# KiCad board karabas-pro-revF.kicad_pcb (continued)
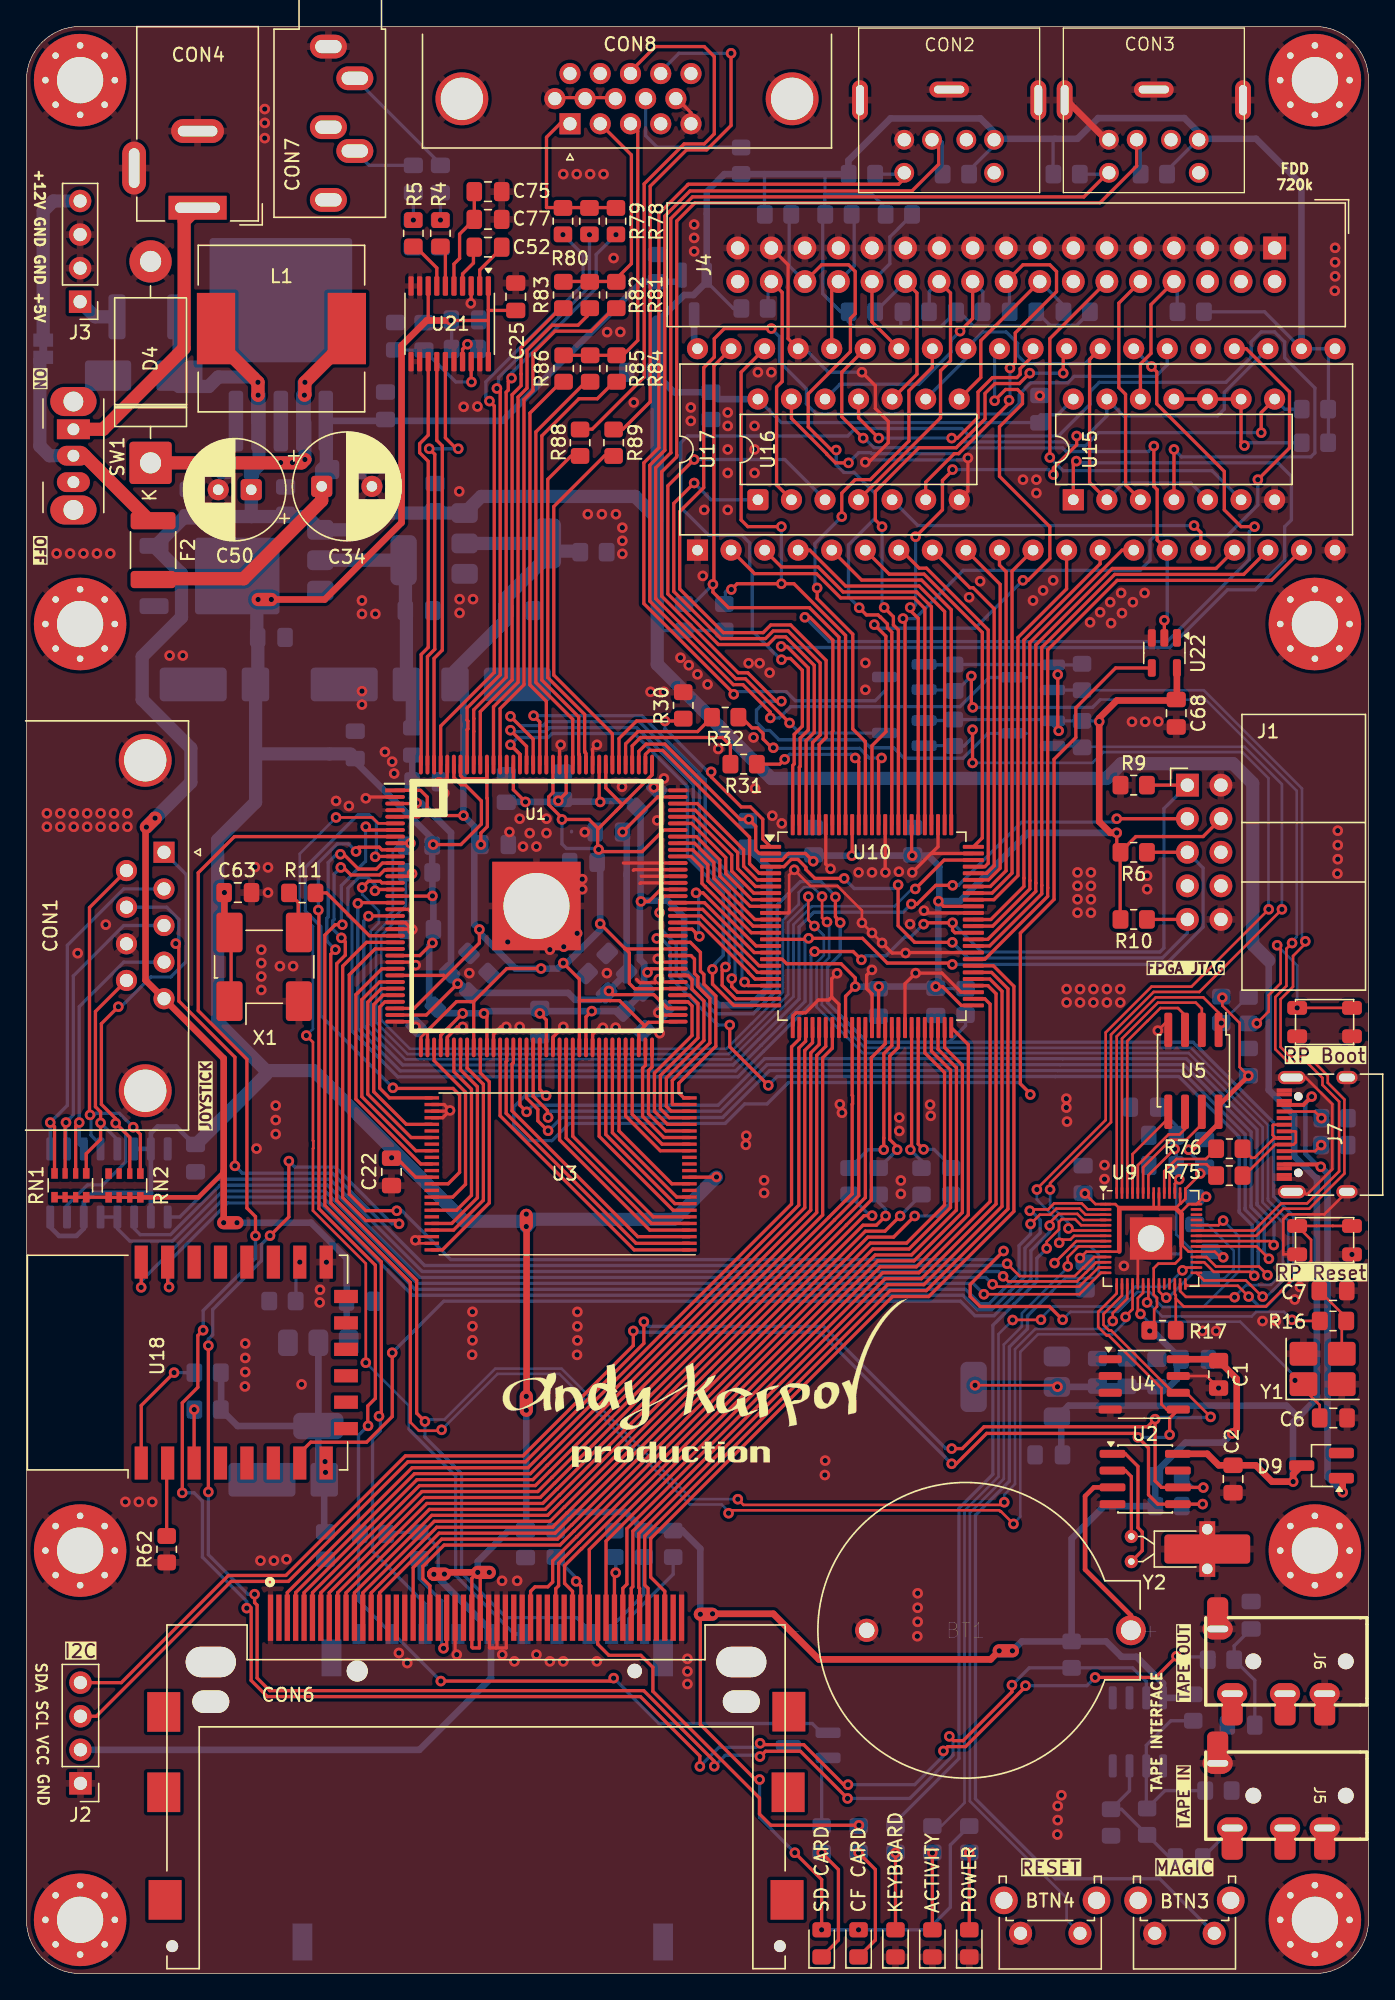
[diagram p0: board, top side]
## Routing (per net, layer and track width the routed paths; a pad name or vN(x,y) marks a point on that pad's centre or on a via; arc(x,y) is an arc through that point) (continued)
JOY_P7: length 95
  Top w0.2: v1(74.24,53.71) 75.18,52.77 79.36,52.77 80.03,53.44 80.04,53.44 80.82,54.22 U9.11
  Top w0.25: v1(11.3,77.93) 11.54,77.69 11.54,73.58 15.78,69.33 v1(15.78,61.11)
  Bottom w0.25: v1(74.24,53.71) 74.1,53.57 30.15,53.57 23.16,60.55 16.34,60.55 v1(15.78,61.11) ; v1(11.3,77.93) 11.54,78.16 11.54,79.76 10.62,80.68 CON1.7
JOY_SCK: length 79.9
  Top w0.2: v1(73.14,52.15) 73.32,51.97 79.69,51.97 80.36,52.64 80.37,52.64 81.15,53.42 U9.13
  Bottom w0.25: U8.11 8.15,56.37 8.62,55.91 10.91,55.91 14.66,59.65 22.79,59.65 29.78,52.67 72.62,52.67 v1(73.14,52.15)
LED1: length 54.6
  Top w0.2: U9.5 79.84,56.62 79.38,57.08 78.37,57.08 78.16,56.86 78.16,56.3 77.23,55.37 v1(77.23,54.86)
  Bottom w0.25: 65.79,11.19 65.79,11.47 70.59,16.27 70.59,35.2 73.16,37.77 73.16,49.05 74.79,50.68 74.79,50.68 76.49,52.38 76.49,54.12 v1(77.23,54.86)
LED2: length 57.1
  Top w0.2: v1(87.51,53.2) 87.72,53.42 U9.30 ; v1(74.65,49.45) 74.66,49.46 76.79,49.46 v1(76.8,49.47)
  Bottom w0.2: 68.58,11.19 69.28,11.19 71.01,12.92 71.01,35.02 73.59,37.59 73.59,48.38 v1(74.65,49.45) ; 87.25,53.2 v1(87.51,53.2) 86.28,51.97 83.94,51.97 82.44,50.47 77.69,50.47 76.8,49.58 v1(76.8,49.47)
LED_BUSY: length 29.2
  Top w0.25: CON6.45 43.24,24.92 44.09,24.08 46.51,24.08 47.42,23.16 47.42,21.36 55.49,13.29 55.49,12.07 56.34,11.22 v1(63.02,11.22)
LFDC_STEP: length 88.2
  Top w0.25: U1.55 38.86,66.9 v1(39.34,66.42) ; U22.4 82.45,98.78 79.44,95.77 79.44,93.52 77.79,91.87 77.79,81.27 75.24,78.72 75.24,67.32 75.99,66.57 v1(75.99,66.51)
  Bottom w0.25: v1(75.99,66.51) 75.99,66.57 75.14,67.42 63.12,67.42 62.38,67.42 57.69,67.42 56.07,65.8 54.37,65.8 52.89,64.32 41.09,64.32 39.79,63.02 37.94,63.02 36.89,64.07 36.89,65.57 37.74,66.42 v1(39.34,66.42)
LSND_BS: length 31.2
  Top w0.25: 29.88,91.5 29.88,99.8 30.41,100.34 30.41,114.42 29.76,115.07 29.76,115.75 30.41,116.39 U21.13
LSND_DAT: length 30.9
  Top w0.25: U21.14 31.06,116 31.48,115.59 31.48,100.13 30.86,99.51 U1.142
LSND_WS: length 33.6
  Top w0.25: U21.15 31.72,116.19 32.54,115.37 v1(32.69,115.37) ; U1.143 30.36,99.64 30.91,100.2 30.91,114.95 v1(30.49,115.37)
  Bottom w0.25: v1(30.49,115.37) v1(32.69,115.37)
MA0: length 11.7
  Top w0.25: U3.25 27.48,66.25 26.74,66.99 26.74,73.13 27.13,73.52 U1.33
MA1: length 15.3
  Top w0.25: U3.24 49.76,66.25 49.39,66.63 49.39,67.37 52.19,70.17 52.19,73.96 51.28,74.86 51.28,75.59 51.02,75.85 51.02,77.26 50.26,78.02 U1.85
MA2: length 15.3
  Top w0.25: U1.83 50.31,77.02 50.57,76.76 50.57,75.67 50.83,75.41 50.83,74.68 51.74,73.78 51.74,70.42 48.89,67.57 48.89,65.8 48.94,65.75 U3.23
MA3: length 14.3
  Top w0.25: U1.80 50.08,75.52 50.38,75.22 50.38,74.49 51.29,73.59 51.29,70.6 48.44,67.76 48.44,65.62 48.8,65.25 U3.22
MA4: length 13.4
  Top w0.25: U3.21 48.67,64.75 47.99,65.43 47.99,67.94 50.84,70.79 50.84,73.4 50.22,74.02 U1.77
MA5: length 13.4
  Top w0.25: U1.76 50.08,73.52 50.38,73.22 50.38,70.97 47.54,68.13 47.54,65.24 48.53,64.25 U3.20
MA6: length 8.8
  Top w0.25: U1.72 47.36,68.58 47.09,68.32 47.09,65.06 48.39,63.75 U3.19
MA7: length 9.5
  Top w0.25: U3.18 48.26,63.25 46.64,64.87 46.64,68.5 46.86,68.72 U1.71
MA8: length 15.1
  Top w0.25: U1.65 43.86,63.48 49.09,58.25 U3.8
MA9: length 15.9
  Top w0.25: U3.7 48.95,57.75 43.36,63.35 U1.64
MA10: length 18.1
  Top w0.25: U1.60 41.36,63.35 47.46,57.25 U3.6
MA11: length 18.9
  Top w0.25: U3.5 47.32,56.75 40.86,63.22 U1.59
MA12: length 19.6
  Top w0.25: U1.58 40.36,63.08 47.18,56.25 U3.4
MA13: length 22.2
  Top w0.25: U1.51 36.86,68.9 36.76,68.81 36.76,65.27 46.28,55.75 U3.3
MA14: length 23
  Top w0.25: U3.2 46.15,55.25 36.31,65.08 36.31,69 36.36,69.04 U1.50
MA15: length 23.7
  Top w0.25: U1.49 35.86,64.9 46.01,54.75 U3.1
MA16: length 17.9
  Top w0.25: U3.48 31.49,54.75 35.04,58.31 35.04,67.47 34.36,68.15 U1.46
MA17: length 10.3
  Top w0.25: U1.69 45.86,65.02 48.12,62.75 U3.17
MA18: length 11.1
  Top w0.25: U3.16 47.98,62.25 45.36,64.88 U1.68
MA19: length 14.3
  Top w0.25: U3.9 49.22,58.75 44.36,63.62 U1.66
MA20: length 16.9
  Top w0.25: U3.45 32.33,56.25 34.59,58.51 34.59,67.28 33.36,68.52 U1.44
MCU_CS: length 81
  Top w0.2: U9.32 89.32,54.22 90.05,53.49 93.31,53.49 93.95,52.85 v1(93.95,52.84)
  Top w0.25: U1.53 37.86,66.24 38.72,65.38 38.72,64.52 39.46,63.77 v1(39.49,63.77)
  Bottom w0.25: v1(39.49,63.77) 39.52,63.77 40.52,64.77 52.7,64.77 56.25,68.32 62.75,68.32 63.12,68.32 78.08,68.32 78.08,68.32 87.43,68.32 92.26,63.49 92.26,57.92 92.26,57.92 92.26,57.79 93.24,56.81 93.24,53.55 v1(93.95,52.84)
MCU_MISO: length 70.7
  Top w0.2: U9.31 89.16,53.82 89.88,53.09 92.65,53.09 v1(92.95,52.79)
  Top w0.25: U1.86 47.92,78.52 v1(47.72,78.32) ; v1(53.24,71.77) 53.24,70.12 v1(56.16,67.2)
  Bottom w0.2: v1(92.95,52.79) 92.95,52.81 92.95,52.81
  Bottom w0.25: v1(47.72,78.32) 47.87,78.47 47.89,78.47 48.74,77.62 48.74,75.37 52.34,71.77 v1(53.24,71.77) ; v1(56.16,67.2) 56.83,67.87 62.56,67.87 63.31,67.87 77.89,67.87 87.24,67.87 91.69,63.42 91.69,63.39 91.81,63.28 91.81,57.73 91.81,57.73 91.81,57.6 92.79,56.62 92.79,52.97 92.95,52.81
MCU_MOSI: length 79.5
  Top w0.2: U9.35 94.12,55.42 v1(94.42,55.12)
  Top w0.25: U1.52 37.36,65.7 v1(37.86,65.2)
  Bottom w0.2: 94.44,55.12 v1(94.42,55.12)
  Bottom w0.25: 94.44,55.12 94.44,56.88 94.14,57.18 94.14,57.18 93.16,58.16 93.16,58.29 93.16,63.86 87.8,69.22 78.45,69.22 55.88,69.22 52.36,65.69 38.36,65.69 v1(37.86,65.2)
MCU_SCK: length 79
  Top w0.2: v1(94.05,54.08) 93.12,55.02 U9.34
  Top w0.25: U1.54 38.36,66.38 39.44,65.29 39.44,64.82 v1(39.49,64.77)
  Bottom w0.2: 94.11,54.15 94.05,54.09 v1(94.05,54.08)
  Bottom w0.25: v1(39.49,64.77) 39.49,65.01 39.72,65.25 52.54,65.25 56.07,68.77 78.26,68.77 78.26,68.77 87.61,68.77 92.71,63.68 92.71,58.11 92.71,58.1 92.71,57.98 93.69,56.99 93.69,56.99 93.69,55.42 93.69,54.57 94.11,54.15
MD0: length 13.9
  Top w0.25: U1.32 27,74.02 26.29,73.31 26.29,66.72 28.76,64.25 U3.29
MD1: length 15.7
  Top w0.25: U1.31 26.86,74.52 25.84,73.5 25.84,66.53 29.12,63.25 U3.31
MD2: length 17.4
  Top w0.25: U1.30 26.73,75.02 25.39,73.69 25.39,66.35 29.48,62.25 U3.33
MD3: length 19.5
  Top w0.25: U1.28 26.91,76.02 25.09,74.2 25.07,74.2 24.94,74.07 24.94,66.16 29.85,61.25 U3.35
MD4: length 44.4
  Top w0.25: v1(26.4,84.5) 26.43,84.52 U1.11 ; U3.38 31.92,59.75 32.79,60.62 32.79,66.47 32.29,66.97 27.79,66.97 v1(27.74,67.02)
  Bottom w0.25: v1(27.74,67.02) 22.29,72.47 22.29,79.22 21.11,80.4 21.11,83.69 25.09,87.67 25.94,87.67 26.49,87.12 26.49,84.59 v1(26.4,84.5)
MD5: length 14.3
  Top w0.25: U3.40 32.27,58.75 33.24,59.72 33.24,66.69 30.86,69.07 U1.39
MD6: length 15.2
  Top w0.25: U1.42 32.36,68.24 33.69,66.91 33.69,58.88 32.56,57.75 U3.42
MD7: length 16.2
  Top w0.25: U3.44 32.2,56.75 34.14,58.7 34.14,67.1 32.86,68.38 U1.43
NCONFIG: length 123.2
  Top w0.2: v1(60.23,81.49) 60.23,79.87 60.53,79.56 v1(60.6,79.56) ; U9.29 89.15,52.44 92.31,52.44 92.66,52.09 92.67,52.09 93.54,51.22 v1(93.58,51.22)
  Top w0.25: U1.14 29,83.02 v1(29.19,83.22)
  Bottom w0.2: v1(60.6,79.56) 60.76,79.4 60.76,76.87 60.22,76.32 60.22,73.29 63.46,70.05 88.14,70.05 93.98,64.21 93.98,58.63 93.98,58.5 94.97,57.52 94.97,57.52 95.52,56.97 95.52,55.58 95.52,52.85 94.37,51.71 93.89,51.22 v1(93.58,51.22) ; v1(60.23,81.49) 59.53,82.19 58.87,82.19 58.47,81.8 58.47,80.9 57.26,79.7 57.26,74.25 54.92,71.9 54.91,71.9 52.99,69.97 29.02,69.97 26.86,72.13 26.86,78.55 27.69,79.37 27.69,79.77 28.72,80.8 R2.1
NSTATUS: length 125.9
  Top w0.2: v1(91.46,51.17) 91.43,51.2 87.77,51.2 87.33,51.64 U9.27 87.33,51.77 ; v1(59.19,81.48) 59.19,79.72 v1(59.65,79.26)
  Top w0.25: v1(29.07,85.52) 29.07,85.52 U1.9
  Bottom w0.2: v1(91.46,51.17) 91.46,51.21 92.34,52.09 93.24,52.09 93.25,52.11 94.21,52.11 95.12,53.02 95.12,54.83 95.12,54.83 95.12,55.41 95.12,56.8 94.57,57.35 93.58,58.34 93.58,58.47 93.58,64.04 87.98,69.65 63.3,69.64 59.81,73.13 59.81,76.49 60.37,77.04 60.37,78.54 v1(59.65,79.26) ; v1(59.19,81.48) 59.19,81.06 58.87,80.73 58.87,80.73 57.66,79.53 57.66,74.08 55.08,71.5 55.08,71.5 53.15,69.57 28.85,69.57 26.47,71.96 26.47,78.71 27.29,79.54 27.29,79.94 27.74,80.39 27.74,84.97 28.12,85.34 R3.1
PS2_KB_CLK: length 78.8
  Top w0.2: v1(95.81,77.97) 95.38,77.54 95.38,74.72 94.54,73.88 94.54,69.93 95.5,68.97 96.9,68.97 98.11,67.76 98.11,67.23 99.37,65.97 99.37,60.7 96.94,58.27 94.98,58.27 92.93,56.22 U9.37
  Top w0.25: v1(71.53,98.17) 71.53,95.9 v1(71.63,95.8)
  Bottom w0.2: v1(95.81,77.97) 95.81,78.09 96.16,78.44 96.16,89.49 89.26,96.39 81.29,96.39 81.26,96.36
  Bottom w0.25: 67.89,97.12 70.16,97.12 ; 81.26,96.36 80.7,95.8 v1(71.63,95.8) ; 70.4,97.04 v1(71.53,98.17)
PS2_KB_DATA: length 68
  Top w0.2: U9.36 93.09,55.82 95.15,57.87 97.11,57.87 99.77,60.53 99.77,66.14 98.51,67.4 98.51,67.93 97.07,69.37 95.67,69.37 94.94,70.1 94.94,73.72 95.88,74.66 95.88,76.99 96.81,77.92 v1(96.81,78.1)
  Bottom w0.2: R20.1 89.12,97.09 96.56,89.66 96.56,78.35 v1(96.81,78.1)
  Bottom w0.25: 77.6,97.11 79.89,97.11
PS2_MS_CLK: length 79.3
  Top w0.2: v1(94.04,80.52) 88.19,74.67 85.17,74.67 81.7,71.2 81.7,64.58 76.49,59.37 v1(76.49,59.32) ; v1(78.18,55.29) 78.42,55.53 79.02,55.53 79.31,55.82 U9.7
  Top w0.25: v1(71.62,94.11) v1(71.62,91.6)
  Bottom w0.2: v1(78.18,55.29) 78.18,56.87 77.75,57.29 76.59,58.45 76.59,58.47 76.49,58.57 v1(76.49,59.32) ; v1(94.04,80.52) 94.04,80.85 94.02,80.87 94.02,90.44 92.04,92.42 81.52,92.42 80.7,91.6 v1(71.62,91.6)
  Bottom w0.25: v1(71.62,94.11) 71.62,93.53 70.97,92.88 R19.1 ; 67.84,92.9 70.18,92.9
PS2_MS_DATA: length 64.9
  Top w0.2: v1(95.04,80.52) 88.79,74.27 85.33,74.27 82.1,71.04 82.1,64.41 77.49,59.8 v1(77.49,59.32) ; U9.6 79.04,56.22 v1(78.88,56.38)
  Bottom w0.2: v1(95.04,80.52) 95.04,89.99 92.21,92.82 79.95,92.82 ; v1(78.88,56.38) 78.88,56.78 77.49,58.17 v1(77.49,59.32)
  Bottom w0.25: 77.57,92.88 79.81,92.88
QSPI_CLK: length 7.6
  Top w0.2: 87.71,64.7 87.71,63.9 87.29,63.49 86.46,63.49 84.13,61.16 U9.52
QSPI_D0: length 6.8
  Top w0.2: 86.44,64.7 83.73,62 U9.53
QSPI_D1: length 20.1
  Top w0.2: U9.55 82.93,70.74 85.65,73.46 88.52,73.46 88.98,73 88.98,71.9
QSPI_D2: length 17.1
  Top w0.2: U9.54 83.33,70.55 84.85,72.07 84.86,72.07 85.84,73.05 87.17,73.05 87.71,72.51
QSPI_D3: length 8.2
  Top w0.2: U9.51 84.53,60.99 86.62,63.09 87.81,63.09 88.98,64.26 88.98,64.7
RP_RESET: length 22.7
  Top w0.2: BTN2.1 98.89,56.56 98.88,56.57 97.68,56.57 97.67,56.56 BTN2.1 97.25,55.51 97.25,53.91 94.96,51.63 94.96,51.61 93.82,50.47 87.6,50.47 87,51.07 ; U9.26 86.93,51.4 87,51.33 87,51.07 ; 87,51.07 R17.1
SA0: length 15.4
  Top w0.25: U1.110 46.86,92.25 47.16,92.55 48.17,92.55 54.74,85.98 54.74,83.97 55.46,83.25 U10.5
SA1: length 10.1
  Top w0.25: U1.106 50.79,88.52 54.29,85.02 54.29,83.79 55.33,82.75 U10.6
SD0: length 10.1
  Top w0.25: U1.105 50.63,88.02 53.84,84.81 53.84,83.6 55.19,82.25 U10.7
SD1: length 10.1
  Top w0.25: U10.8 55.05,81.75 53.39,83.41 53.39,84.62 50.49,87.52 U1.104
SD2: length 10.1
  Top w0.25: U1.103 50.35,87.02 52.94,84.44 52.94,83.23 54.92,81.25 U10.9
SD3: length 9.9
  Top w0.25: U10.10 54.78,80.75 52.49,83.04 52.49,84.25 50.72,86.02 U1.101
SD4: length 10.1
  Top w0.25: U10.12 55.15,79.75 52.04,82.85 52.04,84.06 50.58,85.52 U1.100
SD5: length 10.1
  Top w0.25: U10.13 55.01,79.25 51.59,82.67 51.59,83.88 50.44,85.02 U1.99
SD6: length 10.1
  Top w0.25: U10.14 54.87,78.75 51.4,82.22 51.4,82.22 51.14,82.48 51.14,83.69 50.31,84.52 U1.98
SD7: length 13
  Top w0.25: v1(50.69,81.77) 51.21,81.77 55.24,77.75 U10.16 ; 50.64,78.67 50.89,78.42 50.89,78.42 v1(50.94,78.47) 50.39,79.02 U1.87
  Bottom w0.25: v1(50.69,81.77) 50.89,81.57 50.89,78.52 v1(50.94,78.47)
SD8: length 8.6
  Top w0.25: U10.17 55.1,77.25 51.32,81.02 U1.91
SD9: length 8.8
  Top w0.25: U1.90 51.19,80.52 55.46,76.25 U10.19
SD10: length 8.8
  Top w0.25: U1.89 51.05,80.02 55.33,75.75 U10.20
SD11: length 8.8
  Top w0.25: U10.21 55.16,75.25 54.66,75.74 54.66,75.78 50.92,79.52 U1.88
SD12: length 37.5
  Top w0.25: U10.22 54.63,74.75 v1(54.36,75.02) ; U1.126 38.86,94.7 v1(38.39,95.17)
  Bottom w0.25: v1(38.39,95.17) 46.59,95.17 50.89,90.87 50.89,90.84 51.39,90.34 51.39,85.03 54.16,82.26 54.16,75.22 v1(54.36,75.02)
SD13: length 40.8
  Top w0.25: v1(36.64,95.12) 38.36,93.4 U1.127 ; U10.23 53.83,74.25 53.39,74.68 v1(53.39,75.28)
  Bottom w0.25: v1(36.64,95.12) 37.34,94.42 39.12,94.42 39.42,94.72 46.39,94.72 50.44,90.67 50.44,90.66 50.94,90.16 50.94,84.84 53.64,82.14 53.64,75.53 v1(53.39,75.28)
SD14: length 39.5
  Top w0.25: U1.128 37.86,92.85 v1(36.64,94.07) ; U10.24 53.69,73.75 52.67,74.77 52.67,75.91 v1(52.92,76.16)
  Bottom w0.25: v1(52.92,76.16) 53.19,76.43 53.19,81.96 50.49,84.66 50.49,89.97 46.19,94.27 39.6,94.27 39.3,93.97 36.74,93.97 v1(36.64,94.07)
SD15: length 39.7
  Top w0.25: 37.38,92.23 v1(36.64,92.97) 37.36,92.25 U1.129 ; U10.25 53.55,73.25 51.94,74.86 v1(51.94,75.98)
  Bottom w0.25: v1(51.94,75.98) 52.12,76.16 52.12,76.4 52.74,77.02 52.74,81.77 50.04,84.47 50.04,89.78 46,93.82 39.79,93.82 39.49,93.52 37.19,93.52 v1(36.64,92.97)
SD_DI: length 68.8
  Top w0.25: U1.7 25.94,86.52 v1(25.69,86.77) ; v1(23.92,79.36) 23.38,79.36 22.59,78.57 22.59,58.12 26.86,53.84 26.86,42.34 v1(26.69,42.17)
  Bottom w0.25: CON5.2 30.17,27.99 26.2,31.96 26.2,40.48 26.79,41.07 26.79,42.07 v1(26.69,42.17) ; v1(23.92,79.36) 23.84,79.44 23.84,82.32 25.67,84.15 25.67,86.76 v1(25.69,86.77)
SD_SCK: length 75.7
  Top w0.2: U1.6 26.64,87.02 26.19,87.47 v1(23.44,87.47) 23.19,87.47 ; v1(25.69,46.22) 25.69,53.72 21.69,57.72 21.69,62.42 21.72,62.44 21.72,63 21.69,63.02 21.69,70.47 v1(21.19,70.97)
  Bottom w0.2: v1(21.19,70.97) 21.69,71.47 21.69,79.22 20.69,80.22 20.69,84.72 v1(23.44,87.47) ; v1(25.69,46.22) 28.94,42.97 28.94,41.19 29.06,41.07
  Bottom w0.25: CON5.5 36.92,25.69 32.49,30.12 32.49,37.64 29.06,41.07
SDIR: length 15.7
  Top w0.25: U1.111 46.36,92.47 46.9,93.02 48.33,93.02 54.03,87.33 v1(54.69,87.33) 55.21,86.8 55.21,85 55.46,84.75 U10.2
SND_L: length 9.3
  Bottom w0.25: 31.29,136.81 31.29,136.97 CON7.T
SND_R: length 4.7
  Bottom w0.25: 29.09,136.81 25.95,136.81 CON7.R
TAPE_IN: length 161
  Top w0.25: v1(13.77,47.51) v1(13.77,36.44) ; v1(74.6,21.82) 74.6,21.32 70.9,17.62 70.19,17.62 v1(69.87,17.94) ; v1(52.07,15.68) 52.07,16.07 46.73,21.41 18.42,21.41 17.46,22.36 17.46,27.88 17.27,28.07 v1(17.27,28.7) ; v1(62.16,13.25) 58.59,16.82 55.95,16.82 55.55,16.42 v1(55.52,16.42) ; v1(28.21,56.73) 27.97,56.97 25.69,56.97 23.94,58.72 23.94,76.22 25.74,78.02 U1.24 ; v1(19.86,61.47) 19.86,57.25 18.45,55.83 v1(18.44,55.83)
  Bottom w0.25: v1(18.44,55.83) 17.79,55.18 17.79,53.93 14.1,50.25 14.1,48.33 13.77,48 v1(13.77,47.51) ; v1(13.77,36.44) 13.77,31.69 16.76,28.7 v1(17.27,28.7) ; v1(19.86,61.47) 20.31,61.02 23.39,61.02 27.68,56.73 v1(28.21,56.73) ; v1(74.6,21.82) 75.91,23.13 R70.2 83.74,23.13 84.77,22.1 U20.7 ; v1(69.87,17.94) 70.14,17.67 70.14,16.52 66.87,13.25 v1(62.16,13.25) ; v1(52.07,15.68) 52.91,16.52 55.42,16.52 v1(55.52,16.42)
TAPE_OUT: length 166.2
  Top w0.25: v1(87.06,24) 87.06,23.99 85.47,22.41 v1(80.9,22.41) ; v1(11.8,36.37) 11.8,43.18 12.98,44.36 12.98,48.27 v1(13.38,48.67) ; v1(17.34,55.82) 17.34,57.27 16.69,57.92 16.69,69.17 13,72.86 13,83.28 15.74,86.02 U1.8 ; v1(69.41,16.84) 69.74,17.17 71.09,17.17 75.63,21.71 v1(75.63,21.78) ; v1(62.19,14.29) 61.87,14.29 58.84,17.32 55.64,17.32 v1(55.54,17.42) ; v1(50.98,15.67) 50.98,16.46 46.48,20.96 18.23,20.96 17.01,22.18 17.01,27.69
  Bottom w0.25: v1(13.38,48.67) 13.38,50.16 17.34,54.12 v1(17.34,55.82) ; v1(87.06,24) 87.11,23.96 89.92,23.96 ; v1(50.98,15.67) 52.43,17.12 55.24,17.12 v1(55.54,17.42) ; v1(69.41,16.84) 69.41,16.47 67.24,14.29 v1(62.19,14.29) ; v1(16.68,27.65) 16.68,28.15 13.32,31.51 13.32,35.74 12.69,36.37 v1(11.8,36.37) ; v1(75.63,21.78) 80.27,21.78 v1(80.9,22.41)
TCK: length 105.5
  Top w0.25: v1(59.66,77.33) 62.58,77.33 v1(63.21,76.7) ; U10.62 70.29,78.75 70.1,78.94 v1(70.1,79.5) 67.88,79.5 67.85,79.47 67.85,79.47 v1(67.92,79.4) ; J1.1 84.84,89.92 ; U1.16 26.48,82.02 v1(26.38,81.92)
  Bottom w0.25: v1(70.1,79.5) 72.31,77.29 85.8,77.29 86.11,77.6 86.11,88.14 J1.1 ; v1(67.92,79.4) 66.94,78.42 66.48,78.42 65.06,77 63.51,77 v1(63.21,76.7) ; v1(59.66,77.33) 59.39,77.05 59.39,73.36 55.8,69.77 55.79,69.77 53.87,67.84 28.11,67.84 24.64,71.32 24.64,79.76 24.34,80.06 24.34,82.12 25.14,82.92 25.84,82.92 26.38,82.38 v1(26.38,81.92)
TDI: length 41.8
  Top w0.25: v1(70.09,78.02) 67.24,78.02 65.99,79.28 v1(65.99,82.37) ; J1.9 84.84,79.76 ; U10.4 57.34,83.75 57.89,84.3 58.4,84.3 59.01,83.69 59.01,83.53 59.68,82.86 v1(61.9,82.86)
  Bottom w0.25: J1.9 87.88,78.74 85.99,76.84 71.27,76.84 v1(70.09,78.02) ; v1(61.9,82.86) 62.66,82.09 65.71,82.09 v1(65.99,82.37)
TDI1: length 70
  Top w0.25: v1(25.41,82.17) 25.89,82.64 26.78,82.64 26.91,82.52 U1.15 ; U10.73 69.47,84.25 v1(67.29,82.06)
  Bottom w0.2: v1(67.29,82.06) 67.03,82.06 65.72,80.75 59.45,80.75 58.06,79.36 58.06,73.91 55.25,71.1 55.25,71.1 53.32,69.17 28.69,69.17 26.06,71.79 26.06,78.88 26.68,79.49 26.68,80.38 25.41,81.65 v1(25.41,82.17)
TDO: length 85
  Top w0.25: v1(82.54,87.38) J1.3 ; U1.20 25.92,80.02 v1(25.9,80) ; v1(66.99,80.92) 67.42,80.92 68.83,82.34 v1(70.11,82.34)
  Bottom w0.25: v1(25.9,80) 25.54,79.65 25.54,71.69 28.49,68.75 53.5,68.75 55.42,70.67 55.42,70.67 58.49,73.74 58.49,79.19 59.6,80.3 66.37,80.3 v1(66.99,80.92) ; v1(82.54,87.38) 82.28,87.12 75.34,87.12 70.56,82.34 v1(70.11,82.34)
TMS: length 98.5
  Top w0.25: U1.18 25.14,81.02 v1(25.09,80.97) ; U10.15 59.14,78.25 v1(59.22,78.33) 63.29,78.33 65.17,76.45 69.99,76.45 v1(70.09,76.35) ; J1.5 84.84,84.84
  Bottom w0.25: v1(59.22,78.33) 58.94,78.05 58.94,73.55 55.61,70.22 55.61,70.22 53.68,68.3 28.3,68.3 25.09,71.5 v1(25.09,80.97) ; J1.5 89.07,83.65 89.07,79.19 86.24,76.35 v1(70.09,76.35)
UART_CTS: length 74.8
  Top w0.2: v1(77.46,56.59) 77.46,56.8 78.13,57.48 79.55,57.48 80.01,57.02 U9.4
  Top w0.25: v1(27.69,46.97) 27.69,42.14 25.75,40.2 21.52,40.2 20.69,39.38 U18.7
  Bottom w0.25: v1(27.69,46.97) 31.59,50.87 70.71,50.87 71.8,49.77 73.25,49.77 74.6,51.13 74.61,51.13 76.04,52.56 76.04,54.7 77.46,56.12 v1(77.46,56.59)
UART_RX: length 86.3
  Top w0.2: U9.3 80.17,57.42 79.71,57.88 77.97,57.88 77.51,57.42 76.71,57.42 v1(76.01,56.72)
  Top w0.25: U18.22 8.69,51.92 v1(8.69,51.92)
  Bottom w0.25: v1(76.01,56.72) 76.01,55.94 75.14,55.07 75.14,52.94 74.23,52.03 72.88,50.67 72.18,50.67 71.08,51.77 29.4,51.77 22.42,58.75 15.04,58.75 8.69,52.4 v1(8.69,51.92)
UART_TX: length 86.9
  Top w0.2: v1(75.95,57.72) 76.05,57.82 77.34,57.82 77.8,58.28 79.88,58.28 80.34,57.82 U9.2
  Top w0.25: U18.21 10.69,52.05 v1(10.8,51.94)
  Bottom w0.25: v1(75.95,57.72) 76.04,57.72 76.74,57.02 76.74,56.03 75.59,54.88 75.59,52.75 74.42,51.58 74.42,51.58 73.06,50.22 71.99,50.22 70.89,51.32 29.22,51.32 22.23,58.3 15.23,58.3 10.8,53.87 v1(10.8,51.94)
USB_D+: length 6.3
  Top w0.2: U9.47 86.13,60.7 87.06,61.63 89.28,61.63 R76.2
USB_D-: length 6.1
  Top w0.2: U9.46 86.53,60.54 87.23,61.23 89.33,61.23 90.06,60.5 R75.2 90.06,60.72
VGA_B0: length 33.2
  Top w0.25: 44.45,120.39 43.21,119.15 41.82,119.15 39.02,116.35 39.02,97.87 41.81,95.08 41.81,92.3 41.83,92.27 41.83,92.19 41.86,92.17 U1.120
VGA_B1: length 31.7
  Top w0.25: U1.121 41.36,92.04 41.35,92.05 41.35,94.9 38.56,97.69 38.56,116.64 42.33,120.41
VGA_B2: length 30.4
  Top w0.25: U1.125 39.36,96.26 38.12,97.5 38.12,118.07 40.44,120.39
VGA_G0: length 39.7
  Top w0.25: U1.132 35.86,95.71 37.66,97.51 37.66,119.09 38.35,119.77 38.35,122.6 40.01,124.26 42.74,124.26 44.45,125.97
VGA_G1: length 38.6
  Top w0.25: 42.44,125.97 42.44,125.4 41.76,124.71 39.8,124.71 37.9,122.81 37.9,119.95 37.22,119.27 37.22,97.7 35.36,95.84 U1.133
VGA_G2: length 37
  Top w0.25: U1.135 34.36,95.48 36.76,97.89 36.76,119.46 37.45,120.14 37.45,121.01 37.44,121.02 37.44,123.02 40.4,125.97
VGA_HS: length 25.9
  Top w0.25: 41.91,114.8 41.21,114.8 39.47,113.06 39.47,98.06 42.26,95.27 42.26,92.48 42.28,92.46 42.28,92.38 42.36,92.3 U1.119
VGA_R0: length 44.6
  Top w0.25: U1.136 33.86,93.98 33.87,93.98 33.87,94.96 33.86,94.96 33.86,95.62 36.31,98.07 36.31,119.65 36.48,119.81 36.48,120.47 v1(36.72,120.71)
  Bottom w0.25: v1(44.63,131.56) 43.13,130.06 43.13,127.51 36.72,121.1 v1(36.72,120.71)
VGA_R1: length 44.2
  Top w0.25: U1.137 33.36,94.11 33.41,94.17 33.41,94.77 33.36,94.83 33.36,95.75 35.87,98.26 35.87,119.68 v1(35.62,119.93)
  Bottom w0.25: v1(42.62,131.56) 42.62,127.64 35.74,120.76 35.74,120.05 v1(35.62,119.93)
VGA_R2: length 45.7
  Top w0.25: v1(35.05,118.97) 35.41,118.61 35.41,98.44 31.36,94.39 U1.141
  Bottom w0.25: v1(40.61,131.56) 42.14,130.04 42.14,127.79 34.78,120.44 34.78,119.24 v1(35.05,118.97)
VGA_VS: length 27.5
  Top w0.25: R89.2 43.75,114.82 39.92,110.99 39.92,98.24 44.36,93.8 U1.115
WA0: length 58.5
  Top w0.25: CON6.20 42.61,32.09 64.44,53.92 67.19,53.92 70.85,57.59 70.85,68.73 69.51,70.07 69.51,71.57
WA1: length 59.4
  Top w0.25: 69.01,71.57 69.01,69.93 70.4,68.54 70.4,57.77 67,54.37 64.25,54.37 42.03,32.15 42.02,32.15 40.74,30.86 40.74,29.53 41.34,28.92 CON6.19
WA2: length 59.2
  Top w0.25: 68.51,71.57 68.51,69.8 69.95,68.35 69.95,57.96 66.81,54.82 64.07,54.82 41.84,32.6 41.84,32.6 40.29,31.05 40.29,29.34 40.07,29.12 CON6.18
WD0: length 58.2
  Top w0.25: 70.01,71.57 71.3,70.28 71.3,57.4 67.37,53.47 64.63,53.47 43.88,32.72 CON6.21
WD1: length 61
  Top w0.25: U10.52 72.55,73.75 72.95,73.35 72.95,58.41 67.56,53.02 64.81,53.02 45.45,33.66 45.45,29.46 45.15,29.15 CON6.22
WD2: length 63
  Top w0.25: U10.55 72.92,75.25 73.85,74.32 73.85,58.04 67.93,52.12 65.19,52.12 46.35,33.29 46.35,29.21 46.42,29.15 CON6.23
WD3: length 65.8
  Top w0.25: 58.51,71.57 58.51,70.7 57.92,70.12 57.92,58.22 37.97,38.27 29.19,38.27 19.75,28.83 CON6.2
WD4: length 65.7
  Top w0.25: 59.51,71.57 59.51,70.43 58.92,69.84 58.92,57.95 39.42,38.45 39.42,38.45 38.34,37.37 29.57,37.37 21.02,28.82 CON6.3
WD5: length 65.6
  Top w0.25: 60.51,71.57 60.51,70.15 59.82,69.47 59.82,57.58 39.79,37.55 39.79,37.55 38.71,36.47 29.94,36.47 22.29,28.82 CON6.4
WD6: length 65.9
  Top w0.25: 62.51,71.57 62.51,66.45 62.54,66.42 62.54,65.8 62.51,65.77 62.51,58.99 60.72,57.21 60.72,57.2 40.17,36.65 40.16,36.65 39.08,35.57 30.31,35.57 23.56,28.81 CON6.5
WD7: length 65.8
  Top w0.25: CON6.6 24.83,28.81 30.69,34.67 39.46,34.67 40.53,35.75 40.54,35.75 61.62,56.83 61.62,56.83 63.51,58.72 63.51,71.57
WD8: length 62.2
  Top w0.25: U10.54 72.79,74.75 73.4,74.14 73.4,58.23 67.74,52.57 65,52.57 45.91,33.47 45.91,29.27 45.78,29.15 CON6.47
WD9: length 63.8
  Top w0.25: U10.56 73.06,75.75 74.3,74.51 74.3,57.85 68.12,51.67 65.37,51.67 46.81,33.1 46.81,29.4 47.05,29.15 CON6.48
WD10: length 64.9
  Top w0.25: U10.57 73.2,76.25 74.75,74.7 74.75,57.67 68.3,51.22 65.56,51.22 47.25,32.92 47.25,29.99 48.32,28.92 CON6.49
WD11: length 65.8
  Top w0.25: CON6.27 20.38,28.83 29.38,37.82 38.15,37.82 39.23,38.9 39.23,38.9 58.47,58.14 58.47,70.03 58.98,70.54 58.98,71.55
WD12: length 65.7
  Top w0.25: CON6.28 21.65,28.82 29.75,36.92 38.52,36.92 39.6,38 39.61,38 59.37,57.76 59.37,69.66 60.01,70.29 60.01,71.57
WD13: length 65.6
  Top w0.25: 61.01,71.57 61.01,70.02 60.27,69.28 60.27,57.39 39.98,37.1 39.97,37.1 38.9,36.02 30.13,36.02 22.92,28.81 CON6.29
WD14: length 65.9
  Top w0.25: CON6.30 24.19,28.81 30.5,35.12 39.27,35.12 40.35,36.2 40.35,36.2 61.17,57.02 61.17,57.02 63.01,58.85 63.01,71.57
WD15: length 66.2
  Top w0.25: CON6.31 25.46,28.81 30.87,34.22 39.64,34.22 40.72,35.3 40.73,35.3 62.07,56.64 62.07,56.65 63.96,58.53 63.96,69.29 65.01,70.34 65.01,71.57
~{ESP_RESET}: length 9.4
  Top w0.25: U18.1 8.69,42.98 v1(11.18,45.47)
  Bottom w0.25: 12.69,45.47 v1(11.18,45.47)
~{FDC_CS}: length 30.9
  Top w0.25: U17.3 57.15,106.43 59.93,106.43 61.82,104.53 67.39,104.53 68.51,103.41 U10.79
~{FDC_DIR}: length 28.2
  Top w0.25: v1(74.45,121.48) 74.85,121.88 74.85,124.13 77.98,127.25 77.98,128.78 77.47,129.29 75.44,129.29 J4.18 ; U16.6 68.07,112.83 70.24,115 70.57,115 74.38,118.81 v1(74.38,119.04)
  Bottom w0.25: 74.41,125.73 74.41,127.77 ; v1(74.45,121.48) 74.45,119.11 v1(74.38,119.04)
~{FDC_DRIVE0}: length 17.9
  Top w0.25: U15.3 83.2,112.63 83.2,119.49 82.69,120 82.69,126.38 J4.10
~{FDC_DRIVE1}: length 30.9
  Top w0.25: J4.12 77.47,123.7 v1(77.47,114.71)
  Bottom w0.25: v1(77.47,114.71) 78.47,113.71 89.75,113.71 U15.6
~{FDC_INDEX}: length 12
  Top w0.25: J4.8 85.13,126.28 85.13,122.58 84.33,121.78 U15.12
  Bottom w0.25: 87.11,125.73 87.11,127.77
~{FDC_MOTOR}: length 13.9
  Top w0.25: U16.8 72.25,120.76 72.25,123.55 J4.16
  Bottom w0.25: 78.48,126.25 J4.16
~{FDC_RAWR}: length 74.3
  Top w0.25: v1(85.17,121.59) 85.57,121.19 85.57,118.76 90.68,113.65 90.68,110.74 91.95,109.47 v1(92.96,109.47) ; v1(58.93,102.62) 59.31,102.62 61.05,100.88 61.05,94.01 61.01,93.97 U10.94
  Bottom w0.25: v1(92.96,109.47) 92.57,109.08 92.57,106.98 86.36,100.78 60.76,100.78 v1(58.93,102.62) ; U17.27 v1(85.17,121.59)
~{FDC_RDATA}: length 58.8
  Top w0.25: v1(61.3,115.27) 60.94,115.27 59.18,117.03 59.18,119.52 62.37,122.71 62.37,125.22 62.74,125.59 62.74,128.78 62.23,129.29 60.2,129.29 J4.30 ; v1(63.04,103.34) 63.59,102.8 64.47,102.8 64.63,102.63 64.66,102.63 65.18,102.11 65.18,101.82 65.51,101.49 U10.85
  Bottom w0.25: v1(61.3,115.27) 61.3,114.16 61.88,113.57 62.65,113.57 64.26,111.96 64.26,110.12 62.23,108.09 62.23,104.15 v1(63.04,103.34) ; 57.74,132.91 57.74,129.2 J4.30
